# Altium PCB PCB.PcbDoc (part 2 of 3)
Units mm, origin at the board's own origin, x right, y up, seen from the top; angles counter-clockwise.
Board outline 100.74 x 35.37 mm, 4 copper layers (Top Layer, Mid Layer 1, Mid Layer 2, Bottom Layer), stack 0.999 mm thick; 266 components, 227 nets, 1140 pads, 295 vias.
Unrouted connection lines stored in the file: 229.
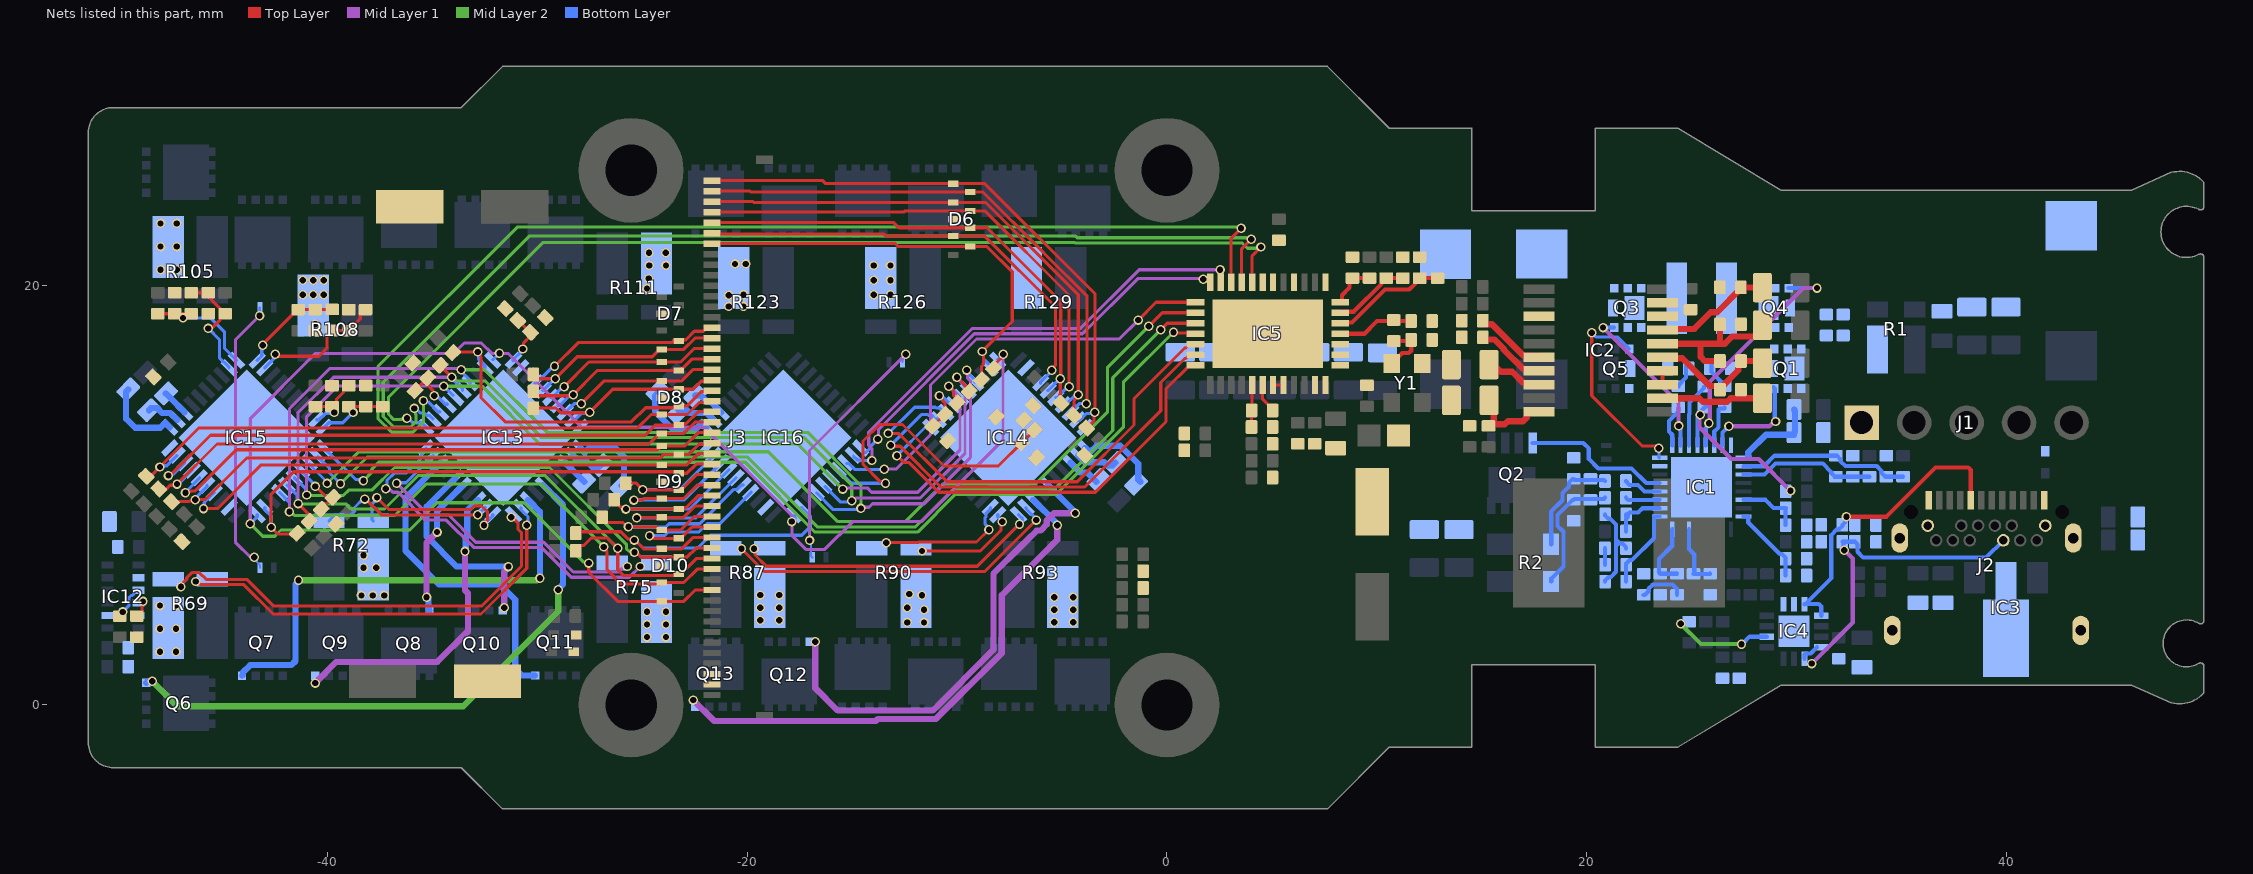
[diagram p4: the nets of this part, all layers, seen from the top]

## Via types
v1: diameter 0.45, hole 0.3, Top Layer to Bottom Layer, tented both sides, 295 vias

## Nets (pads, with @x,y where several pads share a name; then routed paths per layer and width w, separated by ;. In a path a pad name is that pad's centre, name@x,y a point inside that pad or via, vN(x,y) a via of type N, cw(c..) or ccw(c..) an arc to the next point about the centre after c; other vN are vias at no path point) (continued)
ESC_ENABLE: D10.5 IC13.30 IC14.30 IC15.30 IC16.30 J3.40 R84.1 | length 81.2
  Top Layer w0.15: v1(-27.543,6.759) -27.54,6.757 -27.54,6.309 -26.165,4.934 D10.5@-24.065,4.934 -23.018,4.934 -22.48,5.472 J3.40@-21.666,5.472 ; R84.1@-8.265,16.034 -8.265,16.162 -7.803,16.624 v1(-7.803,16.706)
  Mid Layer 1 w0.15: v1(-43.665,8.634) -43.665,13.634 -40.553,16.746 -33.957,16.746 -33.463,17.24 -32.657,17.24 -32.163,16.746 v1(-31.793,16.746) -31.385,16.746 -27.868,13.229 -22.068,13.229 -17.887,9.049 -17.887,8.756 v1(-17.865,8.734) -17.865,8.077 -17.2,7.412 -16.292,7.412 -14.969,8.734 -11.705,8.734 -7.803,12.636 v1(-7.803,16.706)
  Mid Layer 2 w0.15: v1(-43.665,8.634) -43.065,8.034 -42.493,8.034 -42.195,8.332 -36.068,8.332 -34.768,9.632 -30.616,9.632 -27.801,6.817 -27.6,6.817 v1(-27.543,6.759)
  Bottom Layer w0.15: v1(-43.665,8.634) -43.326,8.973 IC15.30@-43.326,9.057 ; IC13.30@-32.127,16.459 -32.08,16.459 v1(-31.793,16.746) ; v1(-17.865,8.734) -17.709,8.89 -17.709,8.96 IC16.30@-17.759,9.01 ; IC14.30@-8.071,16.459 -8.05,16.459 v1(-7.803,16.706)
ESC_INHA_A: D7.6 IC13.34 J3.15 | length 9.4
  Top Layer w0.15: v1(-29.171,16.132) -28.043,17.259 -23.593,17.259 D7.6@-23.441,17.41 ; D7.6@-23.265,17.334 -23.203,17.396 -22.909,17.396 -22.508,17.797 -22.079,17.797 -21.991,17.885 -21.991,17.897 -21.916,17.972 J3.15@-21.666,17.972
  Bottom Layer w0.15: IC13.34@-30.087,15.325 -30.034,15.325 -29.227,16.132 v1(-29.171,16.132)
ESC_INHA_B: D6.4 IC14.34 J3.6 | length 21.7
  Top Layer w0.15: J3.6@-21.666,22.472 -21.628,22.434 -13.481,22.434 -13.379,22.332 D6.4@-10.171,22.332 -8.671,22.332 -5.318,18.979 -5.318,16.181 -5.493,16.006 v1(-5.493,15.943)
  Bottom Layer w0.15: IC14.34@-6.031,15.325 -6.031,15.367 -6.029,15.37 -5.493,15.905 v1(-5.493,15.943)
ESC_INHA_C: D9.2 IC15.34 J3.27 | length 26.3
  Top Layer w0.15: v1(-45.89,9.354) -45.222,9.354 -43.142,11.434 -22.865,11.434 -22.327,11.972 J3.27@-21.666,11.972
  Bottom Layer w0.15: v1(-45.89,9.354) -45.854,9.39 -45.854,9.641 IC15.34@-45.377,10.118
ESC_INHA_D: D10.9 IC16.34 J3.34 | length 9
  Top Layer w0.15: v1(-24.642,8.059) -24.561,8.059 -24.436,7.934 -23.165,7.934 -22.627,8.472 J3.34@-21.666,8.472
  Bottom Layer w0.15: v1(-24.642,8.059) -23.932,8.059 -23.754,8.237 -22.303,8.237 -21.906,8.634 -21.305,8.634 IC16.34@-19.799,10.14
ESC_INHB_A: D8.1 IC13.36 J3.17 | length 8.7
  Top Layer w0.15: v1(-28.716,15.151) -27.533,16.334 D8.1@-24.065,16.334 -23.165,16.334 -22.527,16.972 J3.17@-21.666,16.972
  Bottom Layer w0.15: IC13.36@-29.358,14.643 -29.291,14.643 -28.783,15.151 v1(-28.716,15.151)
ESC_INHB_B: D6.8 IC14.36 J3.4 | length 23.9
  Top Layer w0.15: J3.4@-21.666,23.472 -12.539,23.472 -12.479,23.532 D6.8@-9.371,23.532 -9.271,23.532 -8.671,23.532 -4.664,19.525 -4.664,15.717 -4.66,15.714 -4.66,15.159 v1@-4.664,15.155
  Bottom Layer w0.15: IC14.36@-5.302,14.643 -5.235,14.643 -4.727,15.151 v1(-4.66,15.151)
ESC_INHB_C: D9.1 IC15.36 J3.25 | length 27.5
  Top Layer w0.15: v1@-46.708,9.95 -46.647,10.011 v1(-46.748,10.112) -46.691,10.169 -46.489,10.169 -46.459,10.199 -46.277,10.199 -44.323,12.153 -24.248,12.153 -24.066,12.335 D9.1@-24.065,12.334 -22.965,12.334 -22.327,12.972 J3.25@-21.666,12.972
  Bottom Layer w0.15: v1(-46.748,10.112) -46.748,10.136 -46.084,10.801 IC15.36@-46.084,10.825
ESC_INHB_D: D9.5 IC16.36 J3.32 | length 9.4
  Top Layer w0.15: v1(-25.261,8.909) -25.248,8.922 -24.078,8.922 D9.5@-24.065,8.934 -23.018,8.934 -22.48,9.472 J3.32@-21.666,9.472
  Bottom Layer w0.15: v1(-25.261,8.909) -22.444,8.909 IC16.36@-20.528,10.825
ESC_INHC_A: D8.2 IC13.38 J3.19 | length 7.9
  Top Layer w0.15: v1(-27.903,14.34) -26.81,15.434 D8.2@-24.065,15.434 -23.118,15.434 -22.58,15.972 J3.19@-21.666,15.972
  Bottom Layer w0.15: IC13.38@-28.673,13.911 -28.234,14.35 -27.913,14.35 v1(-27.903,14.34)
ESC_INHC_B: D6.9 IC14.38 J3.2 | length 26
  Top Layer w0.15: J3.2@-21.666,24.472 -19.865,24.472 -19.825,24.432 D6.9@-9.371,24.432 -8.771,24.432 -5.996,21.657 ; -5.995,21.657 -5.746,21.408 ; -5.746,21.407 -3.802,19.463 -3.802,14.386 v1(-3.848,14.34)
  Bottom Layer w0.15: IC14.38@-4.617,13.911 -4.178,14.35 -3.858,14.35 v1@-3.848,14.34
ESC_INHC_C: D8.6 IC15.38 J3.23 | length 28.2
  Top Layer w0.15: v1(-47.559,10.928) -47.477,10.928 -47.351,11.054 -47.349,11.054 -45.554,12.849 -24.853,12.849 -24.383,13.32 -23.28,13.32 D8.6@-23.265,13.334 ; D8.6@-23.262,13.331 -23.196,13.396 -22.909,13.396 -22.334,13.972 J3.23@-21.666,13.972
  Bottom Layer w0.15: v1(-47.559,10.928) -47.501,10.985 -47.338,10.985 IC15.38@-46.791,11.532
ESC_INHC_D: D9.4 IC16.38 J3.30 | length 8.9
  Top Layer w0.15: v1(-25.388,9.759) -24.998,9.759 -24.923,9.834 D9.4@-24.065,9.834 -23.018,9.834 -22.38,10.472 J3.30@-21.666,10.472
  Bottom Layer w0.15: v1(-25.388,9.759) -23.008,9.759 IC16.38@-21.213,11.554
ESC_INLA_A: D7.5 IC13.35 J3.16 R61.1 | length 10.2
  Top Layer w0.15: R61.1@-30.173,15.737 -29.976,15.54 -29.143,15.54 v1(-29.141,15.538) ; v1@-29.161,15.521 -29.161,15.518 v1(-29.141,15.538) ; J3.16@-21.666,17.472 -22.48,17.472 -23.018,16.934 D7.5@-24.065,16.934 -24.165,16.934 -24.515,16.584 -28.095,16.584 v1(-29.141,15.538)
  Bottom Layer w0.15: IC13.35@-29.734,14.972 -29.722,14.972 -29.704,14.99 -29.156,15.538 v1(-29.141,15.538)
ESC_INLA_B: D6.7 IC14.35 J3.5 R79.1 | length 23.9
  Top Layer w0.15: J3.5@-21.666,22.972 -13.011,22.972 -12.771,22.732 D6.7@-9.371,22.732 -9.271,22.732 -8.571,22.732 -5.058,19.219 -5.058,15.565 v1(-5.085,15.538) -5.085,15.035 -5.08,15.029 -5.08,14.838 -5.081,14.837 -5.081,14.412 R79.1@-5.045,14.376
  Bottom Layer w0.15: IC14.35@-5.678,14.972 -5.666,14.972 -5.1,15.538 v1(-5.085,15.538)
ESC_INLA_C: D9.9 IC15.35 J3.26 R97.1 | length 27.8
  Top Layer w0.15: R97.1@-47.406,9.683 -47.376,9.653 -47.093,9.653 -47.054,9.692 -46.929,9.692 -46.924,9.687 -46.572,9.687 -46.542,9.717 v1@-46.34,9.717 ; v1(-46.283,9.774) -46.278,9.779 -45.82,9.779 -43.84,11.759 -24.14,11.759 -23.965,11.934 D9.9@-23.265,11.934 -22.772,11.934 -22.291,12.415 -21.723,12.415 J3.26@-21.666,12.472
  Bottom Layer w0.15: v1(-46.283,9.774) -46.283,9.847 -45.73,10.399 IC15.35@-45.73,10.471
ESC_INLA_D: D10.1 IC16.35 J3.33 R115.1 | length 12.1
  Top Layer w0.15: R115.1@-26.901,8.945 -26.901,8.898 -26.701,8.698 -25.933,8.698 -25.721,8.486 v1(-25.65,8.486) ; v1@-25.648,8.484 -24.315,8.484 -24.165,8.334 -23.165,8.334 -22.527,8.972 J3.33@-21.666,8.972
  Bottom Layer w0.15: v1(-25.65,8.486) -25.648,8.484 -23.86,8.484 -23.71,8.634 -22.259,8.634 -20.625,10.268 -20.501,10.268 -20.493,10.259 -20.28,10.472 IC16.35@-20.174,10.472
ESC_INLB_A: D8.9 IC13.37 J3.18 R60.1 | length 10.3
  Top Layer w0.15: R60.1@-30.173,14.937 -30.173,14.926 -29.973,14.726 v1@-28.329,14.726 ; v1(-28.283,14.773) v1@-28.329,14.726 ; J3.18@-21.666,16.472 -22.627,16.472 -23.165,15.934 D8.9@-23.265,15.934 -27.121,15.934 v1@-28.329,14.726
  Bottom Layer w0.15: IC13.37@-29.027,14.264 -28.926,14.264 -28.475,14.715 -28.34,14.715 v1(-28.283,14.773)
ESC_INLB_B: D6.2 IC14.37 J3.3 R78.1 | length 26.1
  Top Layer w0.15: J3.3@-21.666,23.972 -19.719,23.972 -19.679,23.932 D6.2@-10.171,23.932 -8.624,23.932 -4.227,19.535 -4.227,14.691 -4.435,14.483 -4.435,14.137 -4.47,14.102 -4.47,13.819 R78.1@-4.435,13.784
  Bottom Layer w0.15: IC14.37@-4.971,14.265 -4.87,14.265 -4.42,14.715 -4.284,14.715 v1(-4.227,14.773)
ESC_INLB_C: D8.5 IC15.37 J3.24 R96.1 | length 28.7
  Top Layer w0.15: R96.1@-48.014,10.289 -47.979,10.253 -47.696,10.253 -47.486,10.464 -47.209,10.464 -45.244,12.429 -24.67,12.429 -24.514,12.585 -24.165,12.934 D8.5@-24.065,12.934 -23.018,12.934 -22.48,13.472 J3.24@-21.666,13.472
  Bottom Layer w0.15: v1(-47.152,10.521) -47.095,10.521 IC15.37@-46.437,11.179
ESC_INLB_D: D9.6 IC16.37 J3.31 R114.1 | length 10.8
  Top Layer w0.15: R114.1@-26.336,9.783 -26.336,9.733 -25.99,9.387 -25.827,9.387 v1(-25.77,9.329) ; v1@-25.77,9.334 D9.6@-23.265,9.334 -23.203,9.396 -22.909,9.396 -22.333,9.972 J3.31@-21.666,9.972
  Bottom Layer w0.15: v1(-25.77,9.329) -25.765,9.334 -22.726,9.334 IC16.37@-20.86,11.2
ESC_INLC_A: D8.8 IC13.39 J3.20 R59.1 | length 10.3
  Top Layer w0.15: R59.1@-30.173,14.137 -29.099,14.137 ; -29.161,14.137 -29.099,14.137 ; J3.20@-21.666,15.472 -21.719,15.419 -22.181,15.419 -22.565,15.034 D8.8@-23.265,15.034 -26.397,15.034 v1(-27.492,13.939) -27.515,13.915 -28.878,13.915 -29.099,14.137
  Bottom Layer w0.15: IC13.39@-28.32,13.557 -28.217,13.557 -27.893,13.881 -27.55,13.881 v1(-27.492,13.939)
ESC_INLC_B: D6.1 IC14.39 J3.1 R77.1 | length 28
  Top Layer w0.15: J3.1@-21.666,24.972 -16.395,24.972 -16.254,24.832 D6.1@-10.171,24.832 -8.671,24.832 -3.436,19.598 -3.436,14.53 -3.423,14.517 v1@-3.423,13.952 ; R77.1@-3.824,13.191 -3.471,13.545 -3.471,13.904 v1@-3.423,13.952 ; v1(-3.436,13.939) v1@-3.423,13.952
  Bottom Layer w0.15: IC14.39@-4.264,13.557 -4.161,13.557 -3.837,13.881 -3.494,13.881 v1(-3.436,13.939)
ESC_INLC_C: D8.4 IC15.39 J3.22 R95.1 | length 29.5
  Top Layer w0.15: R95.1@-48.617,10.89 -48.41,10.89 v1(-47.965,11.334) -46.102,13.197 -25.202,13.197 -24.565,13.834 D8.4@-24.065,13.834 -22.859,13.834 -22.291,14.403 -21.735,14.403 J3.22@-21.666,14.472
  Bottom Layer w0.15: v1(-47.965,11.334) -47.908,11.392 -47.641,11.392 -47.146,11.886 IC15.39@-47.144,11.886
ESC_INLC_D: D9.7 IC16.39 J3.29 R113.1 | length 8.6
  Top Layer w0.15: R113.1@-25.771,10.566 -25.276,10.566 v1(-24.968,10.257) -24.956,10.246 -23.176,10.246 -23.165,10.234 -22.427,10.972 J3.29@-21.666,10.972
  Bottom Layer w0.15: v1(-24.968,10.257) -23.217,10.257 IC16.39@-21.567,11.908
ESC_NFAULT: D10.8 IC13.25 IC14.25 IC15.25 IC16.25 J3.36 R81.1 | length 67.6
  Top Layer w0.15: v1(-25.365,7.28) -25.284,7.28 -25.038,7.034 D10.8@-23.265,7.034 -22.865,7.034 -22.427,7.472 J3.36@-21.666,7.472 ; v1(-10.394,15.186) -10.394,15.177 -10.165,14.948 -10.165,14.734 -10.008,14.578 -10.008,14.295 R81.1@-10.021,14.283
  Mid Layer 1 w0.15: v1@-40.987,10.019 -40.987,13.713 -39.513,15.186 v1(-34.45,15.186) ; v1(-15.436,10.283) -15.379,10.34 -14.279,10.34 -14.073,10.134 -11.865,10.134 -9.865,12.134 -9.865,14.657 v1(-10.394,15.186)
  Mid Layer 2 w0.15: v1(-40.968,10) -40.95,9.982 -39.221,9.982 -38.971,10.232 -37.868,10.232 -36.79,11.309 -35.644,11.309 -29.41,11.309 -25.736,7.635 -25.736,7.422 -25.648,7.334 -25.419,7.334 v1(-25.365,7.28) ; v1(-34.45,15.186) -34.446,15.182 -32.621,15.182 -29.871,12.432 -17.586,12.432 v1(-15.436,10.283)
  Bottom Layer w0.15: IC15.25@-41.558,10.825 -41.026,10.293 -41.026,10.058 v1(-40.968,10) ; v1(-34.45,15.186) -34.438,15.186 -34.004,14.752 IC13.25@-34.004,14.74 ; IC16.25@-15.882,10.728 -15.882,10.716 -15.448,10.283 v1(-15.436,10.283) ; v1(-10.394,15.186) -10.382,15.186 IC14.25@-9.949,14.752
ESC_NSCS_A: D8.7 IC13.29 J3.21 R65.1 | length 16.4
  Top Layer w0.15: R65.1@-33.98,16.819 v1@-32.837,16.819 ; v1(-32.833,16.815) -32.833,16.74 -32.671,16.577 -32.671,14.632 -31.523,13.484 -25.507,13.484 -24.833,14.159 -23.528,14.159 -23.44,14.159 -23.365,14.234 -22.865,14.234 -22.181,14.919 -21.719,14.919 J3.21@-21.666,14.972
  Bottom Layer w0.15: v1(-32.833,16.815) -32.776,16.757 -32.776,16.47 -32.491,16.186 IC13.29@-32.491,16.032
ESC_NSCS_B: D6.6 IC14.29 J3.7 R83.1 | length 21.9
  Top Layer w0.15: J3.7@-21.666,21.972 -12.93,21.972 -12.79,21.832 D6.6@-9.371,21.832 -8.571,21.832 -7.371,20.632 -7.371,18.263 -8.842,16.792 -8.839,16.792 -8.742,16.696 -8.742,16.568 -8.741,16.567 ; R83.1@-8.843,15.485 -8.808,15.52 -8.808,15.803 -8.837,15.832 -8.837,15.899 ; -8.842,15.904 -8.842,16.115 -8.741,16.215 -8.741,16.567 ; v1(-8.8,16.834) -8.8,16.753 -8.741,16.695 -8.741,16.567
  Bottom Layer w0.15: v1(-8.8,16.834) -8.742,16.777 -8.742,16.492 -8.414,16.164 IC14.29@-8.414,16.058
ESC_NSCS_C: D9.8 IC15.29 J3.28 R101.1 | length 25.7
  Top Layer w0.15: R101.1@-41.426,8.18 -41.461,8.145 -42.347,8.145 -42.661,8.459 v1(-42.669,8.459) -42.669,10.03 -41.59,11.109 -23.528,11.109 -23.44,11.109 -23.365,11.034 -22.865,11.034 -22.427,11.472 J3.28@-21.666,11.472
  Bottom Layer w0.15: IC15.29@-42.972,9.411 -42.972,9.305 -42.669,9.001 v1(-42.669,8.459)
ESC_NSCS_D: D10.2 IC16.29 J3.35 R119.1 | length 17.1
  Top Layer w0.15: R119.1@-28.156,8.189 -28.094,8.252 -26.017,8.252 -25.664,7.899 -25.448,7.899 -25.404,7.855 -25.339,7.855 -24.918,7.434 -23.118,7.434 -22.58,7.972 J3.35@-21.666,7.972
  Bottom Layer w0.15: v1(-25.372,7.855) -25.339,7.855 -24.958,7.474 -22.351,7.474 -21.741,8.084 -17.392,8.084 -16.991,8.485 -16.991,8.986 IC16.29@-17.417,9.411
ESC_SDI: D10.4 IC13.27 IC14.27 IC15.27 IC16.27 J3.38 | length 75.6
  Top Layer w0.15: v1(-26.83,7.528) -26.83,7.454 -26.665,7.29 -26.665,6.434 -25.985,5.754 -24.328,5.754 -24.323,5.759 -24.14,5.759 D10.4@-24.065,5.834 -23.018,5.834 -22.38,6.472 J3.38@-21.666,6.472
  Mid Layer 1 w0.15: v1@-41.8,9.206 -41.8,14.099 -39.867,16.032 v1@-33.757,16.032 ; v1(-14.575,9.359) -14.517,9.417 -14.192,9.417 -14.024,9.584 -11.562,9.584 -9.365,11.781 -9.365,15.428 -9.486,15.548 -9.486,15.895 v1(-9.543,15.953)
  Mid Layer 2 w0.15: v1(-41.798,9.204) -41.735,9.204 -41.56,9.029 -36.77,9.029 -35.268,10.532 -29.834,10.532 v1(-26.83,7.528) ; v1@-33.757,16.032 -33.691,15.966 v1(-33.609,15.966) ; v1(-33.609,15.966) -32.505,15.966 -29.521,12.982 -17.112,12.982 -14.575,10.445 v1(-14.575,9.359)
  Bottom Layer w0.15: IC15.27@-42.265,10.118 -41.8,9.653 -41.8,9.206 v1(-41.798,9.204) ; v1(-33.609,15.966) -33.609,15.885 -33.199,15.474 IC13.27@-33.199,15.325 ; IC16.27@-16.688,10.096 -15.895,9.304 -14.63,9.304 v1(-14.575,9.359) ; v1(-9.543,15.953) -9.543,15.871 -9.143,15.471 IC14.27@-9.143,15.372
ESC_SDO: D10.7 IC13.26 IC14.26 IC15.26 IC16.26 J3.37 R64.1 R82.1 R100.1 R118.1 | length 77.4
  Top Layer w0.15: v1@-41.373,9.592 -40.826,9.045 R100.1@-40.826,8.78 ; R64.1@-34.615,16.184 -34.615,16.164 v1(-34.059,15.607) ; R118.1@-28.168,7.339 -28.168,7.389 -27.968,7.589 -27.79,7.589 -27.427,7.953 -26.654,7.953 v1(-26.161,7.459) -26.161,6.434 -25.897,6.17 -23.33,6.17 D10.7@-23.265,6.234 ; D10.7@-23.165,6.234 -22.427,6.972 J3.37@-21.666,6.972 ; v1(-10.003,15.607) -9.435,15.04 R82.1@-9.435,14.866
  Mid Layer 1 w0.15: v1@-41.393,9.612 -41.393,13.906 -39.688,15.611 v1@-34.062,15.611 ; v1(-15.015,9.729) -14.934,9.729 -14.802,9.861 -11.738,9.861 -9.615,11.984 -9.615,15.22 v1(-10.003,15.607)
  Mid Layer 2 w0.15: v1(-41.375,9.594) -41.357,9.575 -39.114,9.575 -38.871,9.332 -37.268,9.332 -35.668,10.932 -29.633,10.932 -26.405,7.704 -26.405,7.697 -26.167,7.459 v1(-26.161,7.459) ; v1@-34.062,15.611 v1(-34.059,15.607) -33.978,15.607 -33.803,15.432 -32.471,15.432 -29.771,12.732 -17.285,12.732 -15.011,10.459 -15.011,10.106 -15.015,10.103 v1(-15.015,9.729)
  Bottom Layer w0.15: IC15.26@-41.912,10.471 -41.432,9.992 -41.432,9.651 v1(-41.375,9.594) ; v1(-34.059,15.607) -34.059,15.566 -33.552,15.06 IC13.26@-33.552,14.972 ; IC16.26@-16.293,10.409 -15.544,9.659 -15.394,9.659 -15.382,9.671 -15.073,9.671 v1(-15.015,9.729) ; v1(-10.003,15.607) -10.003,15.566 -9.496,15.06 IC14.26@-9.496,14.972
ESC_SOA_A: IC5.10 IC13.23 | length 53.8
  Top Layer w0.15: IC5.10@3.054,20.132 3.054,22.23 v1(3.53,22.705)
  Mid Layer 2 w0.15: v1(-35.414,14.491) -35.414,13.494 -35.92,12.987 -36.931,12.987 -37.577,13.634 -37.577,16.125 -30.946,22.757 3.479,22.757 v1(3.53,22.705)
  Bottom Layer w0.15: v1(-35.414,14.491) -35.356,14.433 -35.193,14.433 -34.727,13.968 IC13.23@-34.623,13.968
ESC_SOA_B: IC5.17 IC14.23 | length 22.1
  Top Layer w0.15: v1(-13.271,12.932) -12.771,12.932 -10.471,10.632 -4.271,10.632 -1.571,13.332 -1.571,14.579 0.857,17.007 0.904,17.007 IC5.17@1.079,17.182
  Bottom Layer w0.15: v1(-13.271,12.932) -12.02,14.182 -11.028,14.182 -10.995,14.148 -10.853,14.148 -10.673,13.968 IC14.23@-10.567,13.968
ESC_SOA_C: IC5.14 IC15.23 | length 50
  Top Layer w0.15: v1(-0.871,18.032) -0.221,18.682 IC5.14@1.354,18.682
  Mid Layer 2 w0.15: v1(-40.005,10.55) -38.495,12.059 -18.998,12.059 -15.673,8.734 -12.468,8.734 -10.671,10.532 -6.242,10.532 -2.836,13.938 -2.836,16.066 v1(-0.871,18.032)
  Bottom Layer w0.15: IC15.23@-40.841,11.475 -40.841,11.454 -40.005,10.618 v1(-40.005,10.55)
ESC_SOA_D: IC5.13 IC16.23 | length 21.4
  Top Layer w0.15: v1(-1.371,18.332) -0.521,19.182 IC5.13@1.354,19.182
  Mid Layer 1 w0.15: v1(-13.471,11.232) -12.905,11.232 -11.262,12.874 -11.262,15.239 -9.069,17.432 -2.271,17.432 v1(-1.371,18.332)
  Bottom Layer w0.15: IC16.23@-15.264,11.501 -15.158,11.501 -14.877,11.22 -13.482,11.22 v1(-13.471,11.232)
ESC_SOB_A: IC5.9 IC13.22 | length 51.8
  Top Layer w0.15: IC5.9@3.554,20.132 3.554,21.721 v1(4.014,22.18)
  Mid Layer 2 w0.15: v1(-35.856,14.124) -35.799,14.066 -35.799,13.863 -35.775,13.838 -35.775,13.486 -36.024,13.237 -36.828,13.237 -37.327,13.737 -37.327,15.375 -30.371,22.332 -4.351,22.332 -4.272,22.253 3.776,22.253 3.792,22.237 3.956,22.237 v1(4.014,22.18)
  Bottom Layer w0.15: v1(-35.856,14.124) -35.775,14.124 -35.553,13.902 -35.37,13.902 -35.263,13.795 -35.132,13.795 IC13.22@-34.952,13.614
ESC_SOB_B: IC5.18 IC14.22 | length 21.4
  Top Layer w0.15: v1(-13.159,12.368) -13.116,12.324 -12.709,12.324 -10.767,10.382 -3.921,10.382 -0.294,14.009 -0.294,15.356 0.857,16.507 0.904,16.507 IC5.18@1.079,16.682
  Bottom Layer w0.15: v1(-13.159,12.368) -11.699,13.828 -11.382,13.828 -11.348,13.795 -11.207,13.795 -11.026,13.614 IC14.22@-10.896,13.614
ESC_SOB_C: IC5.15 IC15.22 | length 49.9
  Top Layer w0.15: v1(-0.303,17.864) 0.016,18.183 0.569,18.183 0.571,18.182 IC5.15@1.354,18.182
  Mid Layer 2 w0.15: v1(-39.365,10.534) -38.09,11.809 -19.986,11.809 -16.658,8.482 -11.98,8.482 -10.18,10.282 -5.374,10.282 -2.586,13.07 -2.586,15.581 v1(-0.303,17.864)
  Bottom Layer w0.15: IC15.22@-40.44,11.829 -39.887,11.276 -39.887,11.057 v1(-39.365,10.534)
ESC_SOB_D: IC5.11 IC16.22 | length 22.3
  Mid Layer 1 w0.15: v1(-14.051,11.645) -14.051,12.207 -14.205,12.36 -14.205,13.003 -9.276,17.932 -4.124,17.932 -1.324,20.732 v1(2.529,20.732)
  Bottom Layer w0.15: IC16.22@-14.934,11.854 -14.754,11.674 -14.624,11.674 -14.59,11.64 -14.056,11.64 v1(-14.051,11.645)
ESC_SOC_A: IC5.8 IC13.21 | length 49.5
  Top Layer w0.15: IC5.8@4.054,20.132 4.054,21.39 v1(4.476,21.812)
  Mid Layer 2 w0.15: v1(-36.2,13.662) -36.257,13.605 -36.463,13.605 -36.476,13.592 -36.829,13.592 -37.077,13.841 -37.077,14.664 -29.71,22.032 -4.404,22.032 -4.376,22.003 3.589,22.003 3.838,21.755 4.419,21.755 v1(4.476,21.812)
  Bottom Layer w0.15: v1(-36.2,13.662) -36.137,13.662 -35.916,13.441 -35.486,13.441 IC13.21@-35.305,13.261
ESC_SOC_B: IC5.19 IC14.21 | length 20.3
  Top Layer w0.15: v1(-12.862,11.876) -12.54,11.554 -12.292,11.554 -10.871,10.132 -3.409,10.132 -0.044,13.498 -0.044,15.059 IC5.19@1.079,16.182
  Bottom Layer w0.15: v1(-12.862,11.876) -11.428,13.309 -11.298,13.309 IC14.21@-11.249,13.261
ESC_SOC_C: IC5.16 IC15.21 | length 49.1
  Top Layer w0.15: v1@0.35,17.72 1.316,17.72 IC5.16@1.354,17.682
  Mid Layer 2 w0.15: v1(-38.271,10.684) -37.877,11.078 -37.877,11.223 -37.54,11.559 -20.089,11.559 -16.762,8.232 -11.877,8.232 -10.077,10.032 -5.271,10.032 -2.076,13.227 -2.076,15.371 v1(0.311,17.758)
  Bottom Layer w0.15: IC15.21@-40.144,12.182 -40.087,12.182 -38.646,10.742 -38.328,10.742 v1(-38.271,10.684)
ESC_SOC_D: IC5.12 IC16.21 | length 19.9
  Mid Layer 1 w0.15: v1(-13.78,12.665) -13.74,12.705 -13.74,13.115 -9.173,17.682 -4.021,17.682 -1.396,20.307 1.694,20.307 v1(1.729,20.272)
  Bottom Layer w0.15: IC16.21@-14.4,12.027 -14.351,12.027 -14.139,12.239 -14.139,12.305 v1(-13.78,12.665)
GND: C1.1 C2.2 C3.1 C4.1 C5.2 C6.2 C7.1 C8.1 C9.1 C10.1 C11.1 C12.1 C13.1 C14.1 C15.1 C16.1 C17.1 C20.2 C21.1 C22.1 C24.2 C25.1 C27.2 C28.1 C29.1 C30.1 C31.1 C32.1 C33.1 C34.1 C37.1 C38.2 C39.1 C40.1 C41.1 C42.1 C43.1 C44.1 C45.1 C46.1 C47.1 C48.1 C49.1 C50.1 C51.1 C52.1 C53.2 C54.2 C55.1 C56.1 C57.1 C58.1 C59.1 C60.1 C61.2 C62.1 C78.1 C79.1 C80.1 C81.2 C82.1 C87.1 C95.1 C100.1 C108.1 C111.1 C113.1 C114.2 C115.1 C117.2 C118.1 C120.2 C121.1 C126.1 D3.2 D4.2 D5.2 D6.3 D7.3 D8.3 D9.3 D10.3 D11.2 D12.2 D13.2 D14.2 IC1.27 IC1.33 IC2.3 IC2.18 IC2.19 IC3.2 IC3.4 IC4.8 IC4.9 IC4.15 IC5.1 IC5.4 IC5.6 IC5.7 IC5.30 IC5.31 IC5.32 IC5.33 IC5.34 IC5.39 IC12.2 IC12.8 IC12.11 IC13.32 IC13.40 IC13.41 IC14.32 IC14.40 IC14.41 IC15.32 IC15.40 IC15.41 IC16.32 IC16.40 IC16.41 J1.1 J2.A1 J2.A12 J2.B1 J2.B12 J2.MH1 J2.MH2 J2.MH3 J2.MH4 J3.48 J3.49 Q3.4 Q3.8 Q4.4 Q4.8 R13.1 R15.1 R16.1 R23.1 R31.1 R32.1 R45.1 R46.1 R47.1 R48.1 R52.1 R53.1 R54.1 R55.1 R57.1 R67.1 R69.1 R72.4 R75.4 R85.1 R87.4 R90.4 R93.4 R103.1 R105.4 R108.4 R111.1 R121.1 R123.4 R126.4 R129.4 Y1.2 | length 7.8
  Bottom Layer w0.2: C32.1@20.867,5.876 20.867,5.926 21.042,6.101 21.142,6.101 21.387,6.345 21.387,7.571 ; R16.1@20.867,9.076 20.867,9.026 21.042,8.851 21.127,8.851 21.387,8.591 21.387,7.967 21.387,7.571 ; 21.387,7.967 21.387,7.89 21.536,7.741 ; C34.1@21.862,7.466 21.862,7.516 21.687,7.691 21.507,7.691 21.387,7.571 ; IC1.27@24.864,12.371 24.864,13.828 24.884,13.848 24.884,14.408 25.577,15.101 C21.1@25.582,15.168
  other v1: -47.965,2.534 -47.196,2.534 -24.765,3.234 -23.865,3.234 -47.965,3.634 -47.196,3.634 -24.765,3.834 -23.865,3.834 -12.371,3.932 -11.571,3.932 -5.365,3.934 -4.465,3.934 -19.365,4.034 -18.465,4.034 -24.765,4.434 -23.865,4.434 -11.571,4.532 -5.365,4.534 -4.465,4.534 -19.365,4.634 -18.465,4.634 -12.371,4.632 -47.965,4.734 -47.196,4.734 -5.365,5.134 -4.465,5.134 -38.365,5.218 -37.824,5.218 -37.283,5.218 -11.671,5.232 -19.365,5.234 -18.465,5.234 -12.271,5.282 -38.265,6.534 -37.666,6.534 -38.265,7.134 -40.565,18.134 -20.871,18.982 -20.171,18.982 -20.868,19.52 -20.171,19.532 -13.971,19.532 -13.171,19.532 -41.163,19.534 -40.665,19.534 -40.165,19.534 -24.771,19.832 -41.163,20.234 -40.665,20.234 -40.165,20.234 -13.971,20.232 -13.171,20.232 -24.686,20.308 -47.935,20.734 -47.165,20.734 -24.665,20.934 -23.865,20.934 -13.971,20.932 -13.171,20.932 -20.571,21.007 -20.065,21.007 -24.671,21.532 -23.871,21.532 -47.935,21.834 -47.165,21.834 -47.935,22.934 -47.165,22.934
NetC16_2: C16.2 C17.2 Q1.1 Q1.2 Q1.5 Q1.6 Q1.7 R1.3
NetC18_1: C18.1 R5.2 | length 1.3
  Bottom Layer w0.2: C18.1@25.931,16.24 25.931,15.857 26.559,15.23 R5.2@26.559,15.174
NetC18_2: C18.2 IC1.32 L1.1 Q1.4 Q1.8 Q4.1 Q4.2 Q4.5 Q4.6 Q4.7
NetC19_1: C19.1 R6.2 | length 1.1
  Bottom Layer w0.2: R6.2@24.359,15.174 24.359,15.23 24.724,15.595 C19.1@24.724,16.135
NetC19_2: C19.2 IC1.23 L1.2 Q3.1 Q3.2 Q3.5 Q3.6 Q3.7 Q5.4 Q5.8
NetC21_2: C21.2 IC1.28 R8.1 | length 8.3
  Mid Layer 1 w0.2: v1(25.405,13.817) 25.364,13.776 25.364,13.226 26.877,11.713 28.187,11.713 v1(29.7,10.2)
  Bottom Layer w0.2: IC1.28@25.264,12.371 25.264,13.828 25.659,14.223 C21.2@25.582,14.168
NetC22_2: C22.2 C23.1 IC1.3 R3.1 | length 6.5
  Bottom Layer w0.2: IC1.3@27.464,10.971 28.465,10.971 28.99,11.496 31.237,11.496 31.634,11.098 31.634,11.048 31.809,10.873 C23.1@31.859,10.873 32.669,10.873 R3.1@33.459,10.873
NetC23_2: C23.2 C24.1 IC1.2 R4.1 | length 8.3
  Bottom Layer w0.2: IC1.2@27.464,11.371 28.441,11.371 28.944,11.874 31.909,11.874 32.084,11.699 32.084,11.603 32.31,11.377 33.806,11.377 34.034,11.149 34.034,11.048 34.209,10.873 C24.1@34.259,10.873 R4.1@35.059,10.873
NetC25_2: C25.2 C26.1 R2.4 R9.2 | length 5.1
  Bottom Layer w0.2: R2.4@18.299,7.659 18.299,9.206 18.844,9.751 18.844,10.094 19.148,10.398 19.148,10.593 19.323,10.768 C25.2@19.369,10.768 19.421,10.717 20.81,10.717 R9.2@20.861,10.666
NetC26_2: C26.2 C27.1 R2.1 R10.2 | length 6.1
  Bottom Layer w0.2: R2.1@18.299,5.883 18.299,6.009 18.88,6.59 18.88,8.249 18.599,8.53 18.599,9.048 19.319,9.768 C27.1@19.369,9.768 19.418,9.817 20.813,9.817 R10.2@20.861,9.866
NetC28_2: C28.2 IC1.1 R7.1 | length 3.9
  Bottom Layer w0.3: IC1.1@27.689,11.821 27.689,12.031 28.529,12.871 C28.2@29.864,12.871 ; C28.2@29.864,12.971 29.914,13.021 29.914,14.021 R7.1@29.864,14.071
NetC29_2: C29.2 IC1.8 R13.2 | length 3.8
  Bottom Layer w0.2: IC1.8@27.464,8.971 27.685,8.971 27.685,8.692 29.186,7.191 29.287,7.191 29.462,7.016 C29.2@29.462,6.166
NetC31_2: C31.2 IC1.16 R17.2 | length 3.2
  Bottom Layer w0.2: IC1.16@24.064,8.371 24.064,7.582 23.429,6.947 23.429,6.312 C31.2@23.493,6.248 R17.2@24.293,6.248
NetC32_2: C32.2 IC1.17 R18.2 | length 4
  Bottom Layer w0.2: C32.2@21.867,5.876 21.867,6.726 22.042,6.901 22.148,6.901 23.189,7.942 23.189,8.971 IC1.17@23.464,8.971
NetC33_2: C33.2 R17.1 | length 2.2
  Bottom Layer w0.2: C33.2@22.704,5.242 22.754,5.242 22.929,5.417 22.929,5.533 23.14,5.745 24.075,5.745 24.293,5.526 R17.1@24.293,5.247
NetC34_2: C34.2 R18.1 | length 0.8
  Bottom Layer w0.2: C34.2@20.861,7.466 20.864,7.463 20.864,6.678 R18.1@20.867,6.676
NetC35_1: C35.1 C36.2 IC2.15 R25.1 | length 6.2
  Top Layer w0.3: IC2.15@23.598,16.559 23.65,16.507 24.545,16.507 25.86,15.192 26.214,15.192 26.339,15.067 C35.1@26.339,15.02 ; C35.1@26.339,15.07 27.214,15.945 27.214,16.255 C36.2@27.339,16.38 28.264,16.38 R25.1@28.36,16.284
NetC35_2: C35.2 IC2.12 R24.1 | length 4.9
  Top Layer w0.3: IC2.12@23.598,14.609 25.353,14.609 25.517,14.445 26.685,14.445 26.842,14.602 R24.1@28.359,14.602
NetC36_1: C36.1 C37.2 IC2.16 R29.1 | length 7.8
  Top Layer w0.3: IC2.16@23.598,17.209 25.414,17.209 ; C36.1@26.339,16.38 25.614,16.38 25.414,16.58 25.414,17.209 ; C37.2@26.339,18.129 26.339,17.219 26.329,17.209 ; R29.1@28.36,18.084 28.36,17.854 28.06,17.554 26.919,17.554 26.574,17.209 26.329,17.209 ; 25.414,17.209 26.329,17.209
NetC38_1: C38.1 IC2.17 R30.1 | length 5.6
  Top Layer w0.3: IC2.17@23.598,17.859 23.65,17.912 25.109,17.912 25.901,18.704 26.2,18.704 27.334,19.838 C38.1@27.334,19.888 28.348,19.888 R30.1@28.356,19.88
NetC39_2: C39.2 IC2.10 R26.1 | length 3.9
  Top Layer w0.3: R26.1@15.313,13.289 15.391,13.366 15.559,13.366 16.088,13.366 16.238,13.516 16.959,13.516 17.134,13.692 17.134,13.884 17.209,13.959 IC2.10@17.722,13.959 ; C39.2@15.343,14.511 15.559,14.294 R26.1@15.559,13.499
NetC40_2: C40.2 IC2.8 | length 2.8
  Top Layer w0.3: C40.2@15.343,16.211 15.383,16.171 15.589,16.171 15.889,15.871 16.444,15.871 16.981,15.334 17.647,15.334 IC2.8@17.722,15.259
NetC42_2: C42.2 IC2.7 | length 3.4
  Top Layer w0.3: C42.2@15.046,17.506 15.141,17.41 15.594,17.41 16.043,16.962 16.043,16.922 16.981,15.984 17.647,15.984 IC2.7@17.722,15.909
NetC51_2: C51.2 D3.1 IC4.10 IC4.11 J2.A5 | length 14.7
  Top Layer w0.2: v1(32.363,8.967) 34.265,8.967 36.61,11.312 38.167,11.312 38.284,11.195 J2.A5@38.284,9.752
  Bottom Layer w0.2: IC4.11@31.164,4.253 31.164,4.686 31.047,4.803 IC4.10@30.364,4.803 30.38,4.787 31.642,6.048 31.642,8.101 31.891,8.351 31.992,8.351 32.167,8.526 C51.2@32.167,8.576 32.315,8.724 32.315,8.92 v1(32.363,8.967)
NetC52_2: C52.2 D4.1 IC4.1 IC4.14 J2.B5 | length 16.3
  Mid Layer 1 w0.2: v1(30.715,1.972) 32.664,3.921 32.664,6.971 v1(32.264,7.371)
  Bottom Layer w0.2: IC4.1@30.364,2.203 30.364,2.403 30.414,2.453 30.664,2.453 IC4.14@30.964,2.753 ; v1(32.264,7.371) 32.216,7.419 32.216,7.727 C52.2@32.167,7.776 32.17,7.773 32.764,7.773 32.886,7.652 32.886,7.298 33.158,7.025 39.018,7.025 J2.B5@39.834,7.842
NetC55_2: C55.2 R44.2 Y1.3 | length 2.6
  Top Layer w0.2: Y1.3@10.704,16.257 10.704,16.307 11.004,16.607 11.054,16.607 11.204,16.757 11.513,16.757 11.63,16.874 C55.2@11.63,17.385 11.579,17.335 R44.2@10.801,17.335
NetC62_2: C62.2 FB2.1 IC5.24 | length 1.7
  Top Layer w0.15: C62.2@4.027,13.237 4.029,13.24 FB2.1@4.029,14.024 ; FB2.1@4.032,14.027 FB2.1@4.029,14.024 ; IC5.24@4.054,14.957 4.043,14.945 4.043,14.038 FB2.1@4.029,14.024
NetC83_1: C83.1 IC13.2 | length 1.6
  Bottom Layer w0.3: IC13.2@-28.298,11.886 -27.977,11.565 -27.591,11.565 -27.349,11.323 -27.066,11.323 C83.1@-26.96,11.429
NetC83_2: C83.2 IC13.1 | length 3.9
  Bottom Layer w0.3: IC13.1@-27.944,12.239 -27.732,12.027 -27.495,12.264 -26.295,12.264 -25.864,11.833 -25.864,10.545 C83.2@-25.97,10.439
NetC84_2: C84.2 IC13.3 | length 1.3
  Bottom Layer w0.3: IC13.3@-28.651,11.532 -28.326,11.207 -28.326,11.195 C84.2@-27.76,10.629
NetC87_2: C87.2 FB17.2 IC13.24 | length 2.6
  Top Layer w0.15: FB17.2@-35.813,14.975 -35.802,14.975 -35.224,15.553 -35.212,15.553 -35.236,15.529 -35.236,15.246 -34.95,14.96 -34.95,14.792 v1(-34.893,14.734)
  Bottom Layer w0.15: v1(-34.893,14.734) -34.836,14.677 -34.731,14.677 -34.375,14.321 IC13.24@-34.281,14.321
NetC96_1: C96.1 IC14.2 | length 2
  Bottom Layer w0.3: IC14.2@-4.242,11.886 -3.921,11.565 -2.991,11.565 -2.849,11.423 -2.576,11.423 C96.1@-2.465,11.534
NetC96_2: C96.2 IC14.1 | length 4
  Bottom Layer w0.3: IC14.1@-3.888,12.239 -3.676,12.027 -3.352,12.351 -2.222,12.351 -1.364,11.494 -1.364,10.733 C96.2@-1.265,10.634
NetC97_2: C97.2 IC14.3 | length 1.6
  Bottom Layer w0.3: IC14.3@-4.595,11.532 -4.134,11.071 -3.802,11.071 C97.2@-3.365,10.634
NetC100_2: C100.2 FB18.2 IC14.24 | length 2.6
  Top Layer w0.15: C100.2@-11.157,13.288 -11.142,13.288 -10.593,13.837 FB18.2@-10.578,13.837 -10.543,13.872 -10.543,14.155 -10.578,14.191 -10.578,14.394 -10.837,14.653 v1(-10.837,14.734)
  Bottom Layer w0.15: v1(-10.837,14.734) -10.78,14.677 -10.675,14.677 -10.319,14.321 IC14.24@-10.225,14.321
NetC109_1: C109.1 IC15.2 | length 1.6
  Bottom Layer w0.3: C109.1@-48.482,14.039 -48.376,14.145 -48.093,14.145 -47.851,13.903 -47.465,13.903 IC15.2@-47.144,13.583
NetC109_2: C109.2 IC15.1 | length 3.9
  Bottom Layer w0.3: C109.2@-49.472,15.029 -49.578,14.923 -49.578,13.635 -49.147,13.204 -47.947,13.204 -47.71,13.441 IC15.1@-47.498,13.229
NetC110_2: C110.2 IC15.3 | length 1.3
  Bottom Layer w0.3: C110.2@-47.682,14.839 -47.116,14.274 -47.116,14.262 IC15.3@-46.791,13.936
NetC111_2: C111.2 C112.1 IC15.9 R104.1 | length 5.5
  Top Layer w0.15: C112.1@-46.47,19.632 -45.84,19.632 -45.11,18.902 -45.11,18.837 R104.1@-44.91,18.637 ; v1(-45.665,17.934) -45.608,17.992 -45.441,17.992 -45.11,18.322 -45.11,18.437 R104.1@-44.91,18.637 ; R104.1@-44.86,18.637 R104.1@-44.91,18.637
  Bottom Layer w0.15: v1(-45.665,17.934) -45.135,17.405 -45.135,16.546 -44.67,16.08 IC15.9@-44.67,16.058
NetC112_2: C112.2 C114.1 IC15.10 R106.1 | length 5.4
  Top Layer w0.15: R106.1@-48.06,18.637 -48.058,18.634 -46.473,18.634 C112.2@-46.47,18.631
  Bottom Layer w0.15: v1(-46.865,18.434) -45.564,18.434 -44.885,17.755 -44.885,16.981 IC15.10@-44.316,16.411
NetC113_2: C113.2 FB19.2 IC15.24 | length 2.8
  Top Layer w0.15: v1@-40.534,10.407 -40.01,9.883 FB19.2@-39.727,9.883 ; C113.2@-40.301,9.322 -40.294,9.322 FB19.2@-39.734,9.883
  Bottom Layer w0.15: IC15.24@-41.219,11.122 -40.562,10.464 v1(-40.562,10.407)
NetC115_2: C115.2 C116.1 IC15.12 R107.1 | length 6.7
  Top Layer w0.15: v1(-42.466,16.709) -42.385,16.709 -42.285,16.609 -40.39,16.609 -40.01,16.989 -40.01,17.637 -39.81,17.837 C116.1@-39.76,17.837 -39.758,17.834 -38.973,17.834 C115.2@-38.97,17.831 -38.92,17.831 -38.72,18.031 -38.72,18.097 -38.42,18.397 -38.42,18.632 -38.22,18.832 R107.1@-38.17,18.832
  Bottom Layer w0.15: IC15.12@-42.972,16.058 -42.523,16.507 -42.523,16.652 v1(-42.466,16.709)
NetC116_2: C116.2 C117.1 IC15.11 R109.1 | length 4.9
  Top Layer w0.15: v1(-43.065,17.134) -43.065,17.187 -41.42,18.832 R109.1@-41.37,18.832 -41.368,18.834 -39.763,18.834 C116.2@-39.76,18.837
  Bottom Layer w0.15: IC15.11@-43.326,16.411 -43.114,16.623 -43.114,17.085 v1(-43.065,17.134)
NetC118_2: C118.2 C119.1 IC15.19 R110.1 | length 3.7
  Top Layer w0.15: R110.1@-40.558,14.215 -40.555,14.212 -39.948,14.212 -39.945,14.215 v1(-39.665,13.934) ; C118.2@-39.768,14.209 -39.717,14.158 -39.593,14.034 v1@-39.593,13.934 ; C118.2@-39.768,14.209 -39.748,14.209 -39.548,14.409 -39.548,14.575 -39.218,14.905 -39.218,15.01 -39.018,15.21 C119.1@-38.968,15.21
  Bottom Layer w0.15: IC15.19@-40.498,13.583 -40.392,13.583 -40.097,13.877 -39.723,13.877 v1(-39.665,13.934)
NetC119_2: C119.2 C120.1 IC15.20 R112.1 | length 4
  Top Layer w0.15: v1(-38.765,13.934) -38.765,14.006 C119.2@-38.968,14.209 -38.965,14.212 C120.1@-38.16,14.212 ; C120.1@-38.358,14.015 C120.1@-38.16,14.212 ; C120.1@-38.208,14.215 C120.1@-38.158,14.215 ; R112.1@-37.358,14.215 C120.1@-38.158,14.215 ; C120.1@-38.16,14.212 C120.1@-38.158,14.215
  Bottom Layer w0.15: IC15.20@-40.144,13.229 -39.932,13.441 -39.258,13.441 v1(-38.765,13.934)
NetC122_1: C122.1 IC16.2 | length 1.9
  Bottom Layer w0.3: C122.1@-23.265,14.034 -23.254,14.045 -22.881,14.045 -22.739,13.903 -21.909,13.903 IC16.2@-21.589,13.583
NetC122_2: C122.2 IC16.1 | length 3.9
  Bottom Layer w0.3: C122.2@-24.265,14.834 -24.366,14.733 -24.366,13.975 -23.509,13.117 -22.478,13.117 -22.154,13.441 IC16.1@-21.942,13.229
NetC123_2: C123.2 IC16.3 | length 1.6
  Bottom Layer w0.3: C123.2@-22.47,14.739 -22.197,14.739 -21.892,14.434 -21.733,14.434 IC16.3@-21.235,13.936
NetC126_2: C126.2 FB20.2 IC16.24 | length 15
  Top Layer w0.15: v1(-13.406,10.559) -13.463,10.617 -13.624,10.617 -14.476,11.469 -14.476,12.57 -13.689,13.357 -12.596,13.357 -10.621,11.382 -8.032,11.382 C126.2@-6.922,12.491 FB20.2@-6.322,13.091
  Bottom Layer w0.15: IC16.24@-15.605,11.147 -15.605,11.134 -15.03,10.559 v1(-13.406,10.559)
NetFB2_2: FB2.2 IC5.25 | length 1.4
  Top Layer w0.15: IC5.25@4.554,15.232 4.554,14.555 5.032,14.077 FB2.2@5.032,14.027
NetIC1_6: IC1.6 R12.1 R15.2 | length 3
  Bottom Layer w0.2: IC1.6@27.464,9.771 28.509,9.771 28.701,9.579 28.701,9.567 28.892,9.376 R12.1@29.467,9.376 29.464,9.373 29.464,8.568 R15.2@29.462,8.566
NetIC1_14: IC1.14 R22.1 R23.2 | length 3
  Bottom Layer w0.2: IC1.14@24.864,8.371 24.864,7.423 25.115,7.172 25.115,6.278 R22.1@25.08,6.242 ; R22.1@25.115,6.242 25.118,6.245 25.867,6.245 R23.2@25.869,6.248
NetIC1_18: IC1.18 R14.1 R16.2 | length 2.6
  Bottom Layer w0.2: R14.1@21.862,8.266 21.864,8.268 21.864,8.868 21.962,8.966 21.962,9.082 22.042,9.162 22.442,9.162 22.651,9.371 IC1.18@23.464,9.371 ; R16.2@21.862,8.966 21.862,9.071 R16.2@21.867,9.076
NetIC1_19: IC1.19 R10.1 | length 1.6
  Bottom Layer w0.2: R10.1@21.862,9.866 21.965,9.762 23.181,9.762 23.189,9.771 IC1.19@23.456,9.771
NetIC1_20: IC1.20 R9.1 | length 1.8
  Bottom Layer w0.2: R9.1@21.862,10.666 21.862,10.657 22.037,10.482 22.437,10.482 22.748,10.171 IC1.20@23.464,10.171
NetIC1_21: IC1.21 Q2.4 | length 7.1
  Bottom Layer w0.2: Q2.4@17.424,12.471 19.829,12.471 20.093,12.207 20.093,11.718 20.543,11.268 22.127,11.268 22.825,10.571 IC1.21@23.464,10.571
NetIC1_24: IC1.24 Q5.3 | length 9.8
  Top Layer w0.15: v1(20.23,17.732) 20.23,14.732 22.63,12.332 23.248,12.332 23.348,12.232 v1(23.429,12.232)
  Bottom Layer w0.15: v1(20.23,17.732) 20.429,17.532 21.454,17.532 22.014,16.971 Q5.3@22.014,16.959 ; v1(23.429,12.232) 23.429,11.796 23.454,11.771 IC1.24@23.464,11.771
NetIC1_25: IC1.25 R6.1 | length 2.1
  Bottom Layer w0.2: IC1.25@24.064,12.371 24.064,12.871 23.909,13.026 23.909,13.531 24.359,13.981 R6.1@24.359,14.173
NetIC1_26: IC1.26 Q3.3 | length 7.7
  Mid Layer 1 w0.2: v1(20.77,17.977) 24.368,14.378 v1(24.368,13.288)
  Bottom Layer w0.2: v1(20.77,17.977) Q3.3@21.294,17.977 ; v1(24.368,13.288) 24.464,13.271 IC1.26@24.464,12.371
NetIC1_29: IC1.29 Q4.3 | length 11.4
  Mid Layer 1 w0.2: v1(25.814,13.413) 25.855,13.454 25.855,15.406 30.306,19.857 v1(30.958,19.857)
  Bottom Layer w0.2: IC1.29@25.664,12.371 25.664,13.195 25.814,13.345 v1(25.814,13.413) ; Q4.3@29.615,19.855 29.617,19.853 30.954,19.853 v1(30.958,19.857)
NetIC1_30: IC1.30 R5.1 | length 2.2
  Bottom Layer w0.2: IC1.30@26.064,12.371 26.064,13.024 26.264,13.224 26.264,14.071 26.31,14.116 26.559,14.116 R5.1@26.559,14.173
NetIC1_31: IC1.31 Q1.3 | length 5
  Mid Layer 1 w0.2: v1(26.764,13.271) 28.687,13.271 28.918,13.502 v1(28.986,13.502)
  Bottom Layer w0.2: IC1.31@26.464,12.371 26.464,12.971 v1(26.764,13.271) ; Q1.3@28.872,15.143 28.95,15.065 28.95,13.538 v1(28.986,13.502)
NetIC2_6: IC2.6 R31.2 | length 3.4
  Top Layer w0.3: R31.2@15.046,18.306 15.046,18.26 15.171,18.135 15.48,18.135 16.981,16.634 17.647,16.634 IC2.6@17.722,16.559
NetIC2_13: IC2.13 IC2.14 | length 0.6
  Top Layer w0.2: IC2.13@23.598,15.259 IC2.14@23.598,15.909
NetIC4_5: IC4.5 R35.1 | length 4.6
  Mid Layer 2 w0.2: v1(24.464,3.871) 25.436,2.899 v1(27.364,2.899)
  Bottom Layer w0.2: v1(27.364,2.899) 27.398,2.899 27.752,3.253 IC4.5@28.564,3.253
NetIC5_26: IC5.26 IC5.27 | length 0.5
  Top Layer w0.15: IC5.26@5.054,15.232 IC5.27@5.554,15.232
NetIC5_35: IC5.35 R44.1 R45.2 | length 3.6
  Top Layer w0.2: IC5.35@8.254,17.682 9.404,17.682 10.008,18.285 R45.2@11.63,18.285
NetIC5_36: IC5.36 R41.1 R46.2 | length 5.6
  Top Layer w0.2: IC5.36@8.254,18.182 8.292,18.219 8.817,18.219 10.379,19.782 11.538,19.782 11.809,20.053 11.809,20.154 11.984,20.329 R46.2@12.034,20.329 12.037,20.331 12.892,20.331 R41.1@12.895,20.334
NetIC5_37: IC5.37 R42.1 R47.2 | length 3.7
  Top Layer w0.2: IC5.37@8.254,18.682 8.304,18.732 8.893,18.732 10.22,20.058 10.22,20.159 10.395,20.334 R42.1@10.445,20.334 10.447,20.331 11.232,20.331 R47.2@11.234,20.329
NetIC5_38: IC5.38 R43.1 R48.2 | length 2.2
  Top Layer w0.2: IC5.38@8.254,19.182 8.304,19.232 8.334,19.232 8.334,19.515 8.695,19.876 8.695,20.19 8.84,20.334 9.407,20.334 R43.1@9.645,20.334
NetIC6_1: IC6.1 IC9.2 | length 13.5
  Mid Layer 1 w0.15: v1(-43.471,7.032) -43.558,7.032 -43.602,6.988 -44.371,7.757 -44.371,17.382 v1(-43.221,18.532)
  Bottom Layer w0.102: v1(-43.471,7.032) -43.404,6.965 -43.404,6.865 -43.196,6.657 IC9.2@-43.196,6.532 ; v1(-43.221,18.532) -43.208,18.544 -43.208,18.919 IC6.1@-43.196,18.932
NetIC7_1: IC7.1 IC10.2 | length 12.1
  Mid Layer 1 w0.15: v1(-17.024,7.837) -17.024,12.122 v1(-12.442,16.704)
  Bottom Layer w0.102: v1(-17.024,7.837) -16.96,7.773 -16.96,7.096 IC10.2@-16.896,7.032 ; IC7.1@-12.596,16.332 -12.596,16.457 -12.442,16.61 v1(-12.442,16.704)
NetIC12_9: IC12.9 R56.1 | length 1.4
  Bottom Layer w0.15: v1(-49.74,4.432) -49.446,4.727 -49.446,5.111 -49.343,5.214 -49.283,5.214 -49.196,5.302 -49.196,5.364 -49.096,5.464 IC12.9@-48.983,5.464
NetIC12_10: IC12.10 R57.2 | length 1.1
  Top Layer w0.15: R57.2@-49.065,4.235 -49.02,4.235 -48.82,4.435 -48.82,4.882 v1(-48.771,4.932)
  Bottom Layer w0.15: IC12.10@-48.983,4.864 -48.915,4.932 v1(-48.771,4.932)
NetIC13_6: IC13.6 Q6.4 | length 28.5
  Mid Layer 2 w0.3: v1(-48.326,1.135) -47.125,-0.066 -33.518,-0.066 -28.992,4.461 v1(-28.992,5.495)
  Bottom Layer w0.3: Q6.4@-48.621,1.064 -48.578,1.107 -48.355,1.107 v1(-48.326,1.135) ; IC13.6@-29.712,10.471 -28.765,9.525 -28.765,5.746 -28.992,5.519 v1(-28.992,5.495)
NetIC13_8: IC13.8 Q7.4 | length 22.3
  Mid Layer 2 w0.3: v1(-41.365,5.934) -30.006,5.934 -29.906,6.034 v1(-29.865,6.034)
  Bottom Layer w0.3: Q7.4@-44.056,1.399 -44.006,1.449 -44.006,1.553 -43.66,1.899 -41.703,1.899 -41.506,2.095 -41.506,5.753 -41.365,5.894 v1(-41.365,5.934) ; IC13.8@-30.419,9.764 -29.865,9.211 v1(-29.865,6.034)
NetIC13_9: IC13.9 R69.3 | length 20.4
  Top Layer w0.15: v1(-46.265,5.881) -46.184,5.881 -46.035,5.732 -43.971,5.732 -42.571,4.332 -32.671,4.332 -30.492,6.51 v1(-30.492,8.56)
  Bottom Layer w0.15: IC13.9@-30.772,9.411 -30.772,9.311 -30.435,8.974 -30.435,8.617 v1(-30.492,8.56)
NetIC13_10: IC13.10 R69.2 | length 20.7
  Top Layer w0.15: v1(-46.965,5.634) -46.965,5.715 -46.69,5.99 -46.69,6.057 -46.441,6.306 -46.089,6.306 -45.765,5.982 -43.821,5.982 -42.548,4.709 -32.647,4.709 -30.742,6.614 -30.742,8.209 -30.917,8.384 -30.917,8.686 v1@-31.166,8.934
  Bottom Layer w0.15: v1(-31.237,8.934) -31.126,9.046 IC13.10@-31.126,9.057
NetIC13_11: IC13.11 R72.3 | length 8.3
  Top Layer w0.15: v1(-37.63,9.879) -37.055,9.304 -33.177,9.304 -33.002,9.479 -32.65,9.479 -32.371,9.2 -32.371,8.801 -32.528,8.643 v1(-32.528,8.562)
  Bottom Layer w0.15: R72.3@-37.805,8.77 -37.871,8.836 -37.871,9.558 -37.63,9.798 v1(-37.63,9.879) ; v1(-32.528,8.562) -32.528,8.604 -32.116,9.016 IC13.11@-32.116,9.057
NetIC13_12: IC13.12 R72.2 | length 8.4
  Top Layer w0.15: v1(-38.215,9.807) -38.159,9.807 -37.406,9.054 -36.693,9.054 v1(-32.826,9.054)
  Bottom Layer w0.15: R72.2@-39.911,8.77 -39.636,9.045 -38.875,9.045 -38.697,9.223 -38.697,9.406 -38.296,9.807 v1(-38.215,9.807) ; v1(-32.826,9.054) IC13.12@-32.47,9.411
NetIC13_13: IC13.13 Q9.4 | length 14.9
  Mid Layer 1 w0.3: v1(-40.565,1.045) -39.56,2.05 -34.749,2.05 -33.293,3.506 -33.293,5.319 -33.434,5.46 v1(-33.434,7.313)
  Bottom Layer w0.3: v1(-33.434,7.313) -33.406,7.341 -33.406,7.972 -33.326,8.051 -33.326,9.261 IC13.13@-32.823,9.764
NetIC13_15: IC13.15 Q8.4 | length 6.7
  Mid Layer 1 w0.3: v1(-35.265,5.134) -35.265,7.737 v1(-34.765,8.237)
  Bottom Layer w0.3: v1(-35.265,5.134) -35.265,5.094 -35.176,5.005 -35.176,4.549 Q8.4@-35.126,4.499 ; v1(-34.765,8.237) -34.765,9.237 IC13.15@-33.53,10.472
NetIC13_16: IC13.16 Q10.4 | length 9.9
  Mid Layer 1 w0.3: v1(-31.565,4.634) -31.565,6.351 -31.365,6.552 v1(-31.365,6.592)
  Bottom Layer w0.3: IC13.16@-33.884,10.825 -35.265,9.444 -35.265,8.03 -33.828,6.592 v1(-31.365,6.592)
NetIC13_18: IC13.18 Q11.4 | length 15.4
  Bottom Layer w0.3: IC13.18@-34.591,11.532 -36.265,9.858 -36.265,7.334 -34.665,5.734 -31.765,5.734 -31.036,5.005 -31.036,1.705 -30.735,1.404 Q11.4@-30.096,1.404
NetIC13_19: IC13.19 R75.2 | length 15.1
  Mid Layer 1 w0.15: v1(-36.693,10.554) -35.193,9.055 -34.222,9.055 -32.921,7.754 -29.692,7.754 -28.273,6.334 -26.132,6.334 -25.929,6.537 -25.768,6.537 v1(-25.71,6.595)
  Bottom Layer w0.15: v1(-36.693,10.554) -36.66,10.587 -36.243,10.587 IC13.19@-34.944,11.886
NetIC13_20: IC13.20 R75.3 | length 17.1
  Mid Layer 1 w0.15: v1(-37.205,10.293) -37.148,10.236 -36.975,10.236 -36.869,10.129 -36.621,10.129 -35.297,8.805 -34.325,8.805 -33.024,7.504 -29.796,7.504 -28.376,6.084 -28.023,6.084 -28.02,6.082 -25.607,6.082 v1(-25.094,6.595)
  Bottom Layer w0.15: v1(-37.205,10.293) -37.148,10.351 -37.148,10.7 -36.789,11.059 -36.231,11.059 -35.502,11.788 -35.502,11.912 -35.51,11.921 -35.298,12.133 IC13.20@-35.298,12.239
NetIC13_31: IC13.31 R62.1 R67.2 | length 2.5
  Top Layer w0.15: R62.1@-30.914,18.312 R62.1@-30.691,18.089 ; v1(-30.691,16.953) -30.645,16.999 -30.645,17.244 -30.314,17.575 R67.2@-30.314,17.745 ; R62.1@-30.682,18.097 R67.2@-30.33,17.745
  Bottom Layer w0.15: IC13.31@-31.148,16.386 -31.148,16.443 -30.691,16.9 v1(-30.691,16.953)
NetIC14_6: IC14.6 Q12.4 | length 23
  Mid Layer 1 w0.3: v1(-16.746,3.013) -16.746,0.808 -15.672,-0.266 -11.165,-0.266 -8.265,2.634 -8.265,6.251 -6.95,7.566 ; -6.95,7.566 -6.657,7.859 ; -6.657,7.859 -6.209,8.307 -6.02,8.307 -5.727,8.6 -5.727,8.789 -5.382,9.134 v1(-4.365,9.134)
  Bottom Layer w0.3: IC14.6@-5.656,10.471 -4.394,9.209 -4.394,9.163 v1(-4.365,9.134)
NetIC14_8: IC14.8 Q13.4 | length 25.3
  Mid Layer 1 w0.3: v1(-22.565,0.234) -21.565,-0.766 -13.865,-0.766 -13.765,-0.666 -10.999,-0.666 -7.865,2.468 -7.865,5.234 -5.227,7.872 v1(-5.227,8.559)
  Bottom Layer w0.3: IC14.8@-6.363,9.764 -5.256,8.657 -5.256,8.588 v1(-5.227,8.559)
NetIC14_9: IC14.9 R87.2 | length 16.3
  Top Layer w0.15: v1(-20.265,7.434) -19.189,6.357 -8.677,6.357 v1(-6.227,8.807)
  Bottom Layer w0.15: IC14.9@-6.717,9.411 -6.717,9.354 -6.227,8.864 v1(-6.227,8.807)
NetIC14_10: IC14.10 R87.3 | length 14.5
  Top Layer w0.15: v1(-19.665,7.434) -19.621,7.39 -19.621,7.142 -19.085,6.607 -9.028,6.607 -7.078,8.557 v1(-7.023,8.612)
  Bottom Layer w0.15: IC14.10@-7.07,9.057 -6.877,8.864 -6.877,8.758 v1(-7.023,8.612)
NetIC14_11: IC14.11 R90.3 | length 4.9
  Top Layer w0.15: v1(-11.666,7.334) -8.894,7.334 -7.898,8.331 v1@-7.898,8.673
  Bottom Layer w0.15: IC14.11@-8.06,9.057 -8.061,8.951 v1(-7.84,8.73)
NetIC14_12: IC14.12 R90.2 | length 6.4
  Top Layer w0.15: v1(-13.371,7.732) -11.869,7.732 -11.841,7.759 -9.07,7.759 v1(-8.479,8.351)
  Bottom Layer w0.15: v1(-8.479,8.351) -8.479,8.432 -8.659,8.612 -8.659,8.918 -8.626,8.951 -8.626,9.113 -8.414,9.325 IC14.12@-8.414,9.411